# Altium PCB PCB_Kasli.PCBDOC (part 2 of 16)
Units mm, origin at the board's own origin, x right, y up, seen from the top; angles counter-clockwise.
Board outline 200.3 x 100 mm, 6 copper layers (TopLayer, MidLayer1, MidLayer2, SignalLayer1, Internal Plane 1, BottomLayer), stack 1.528 mm thick; 775 components, 636 nets, 3136 pads, 1724 vias.
Unrouted connection lines stored in the file: 7.
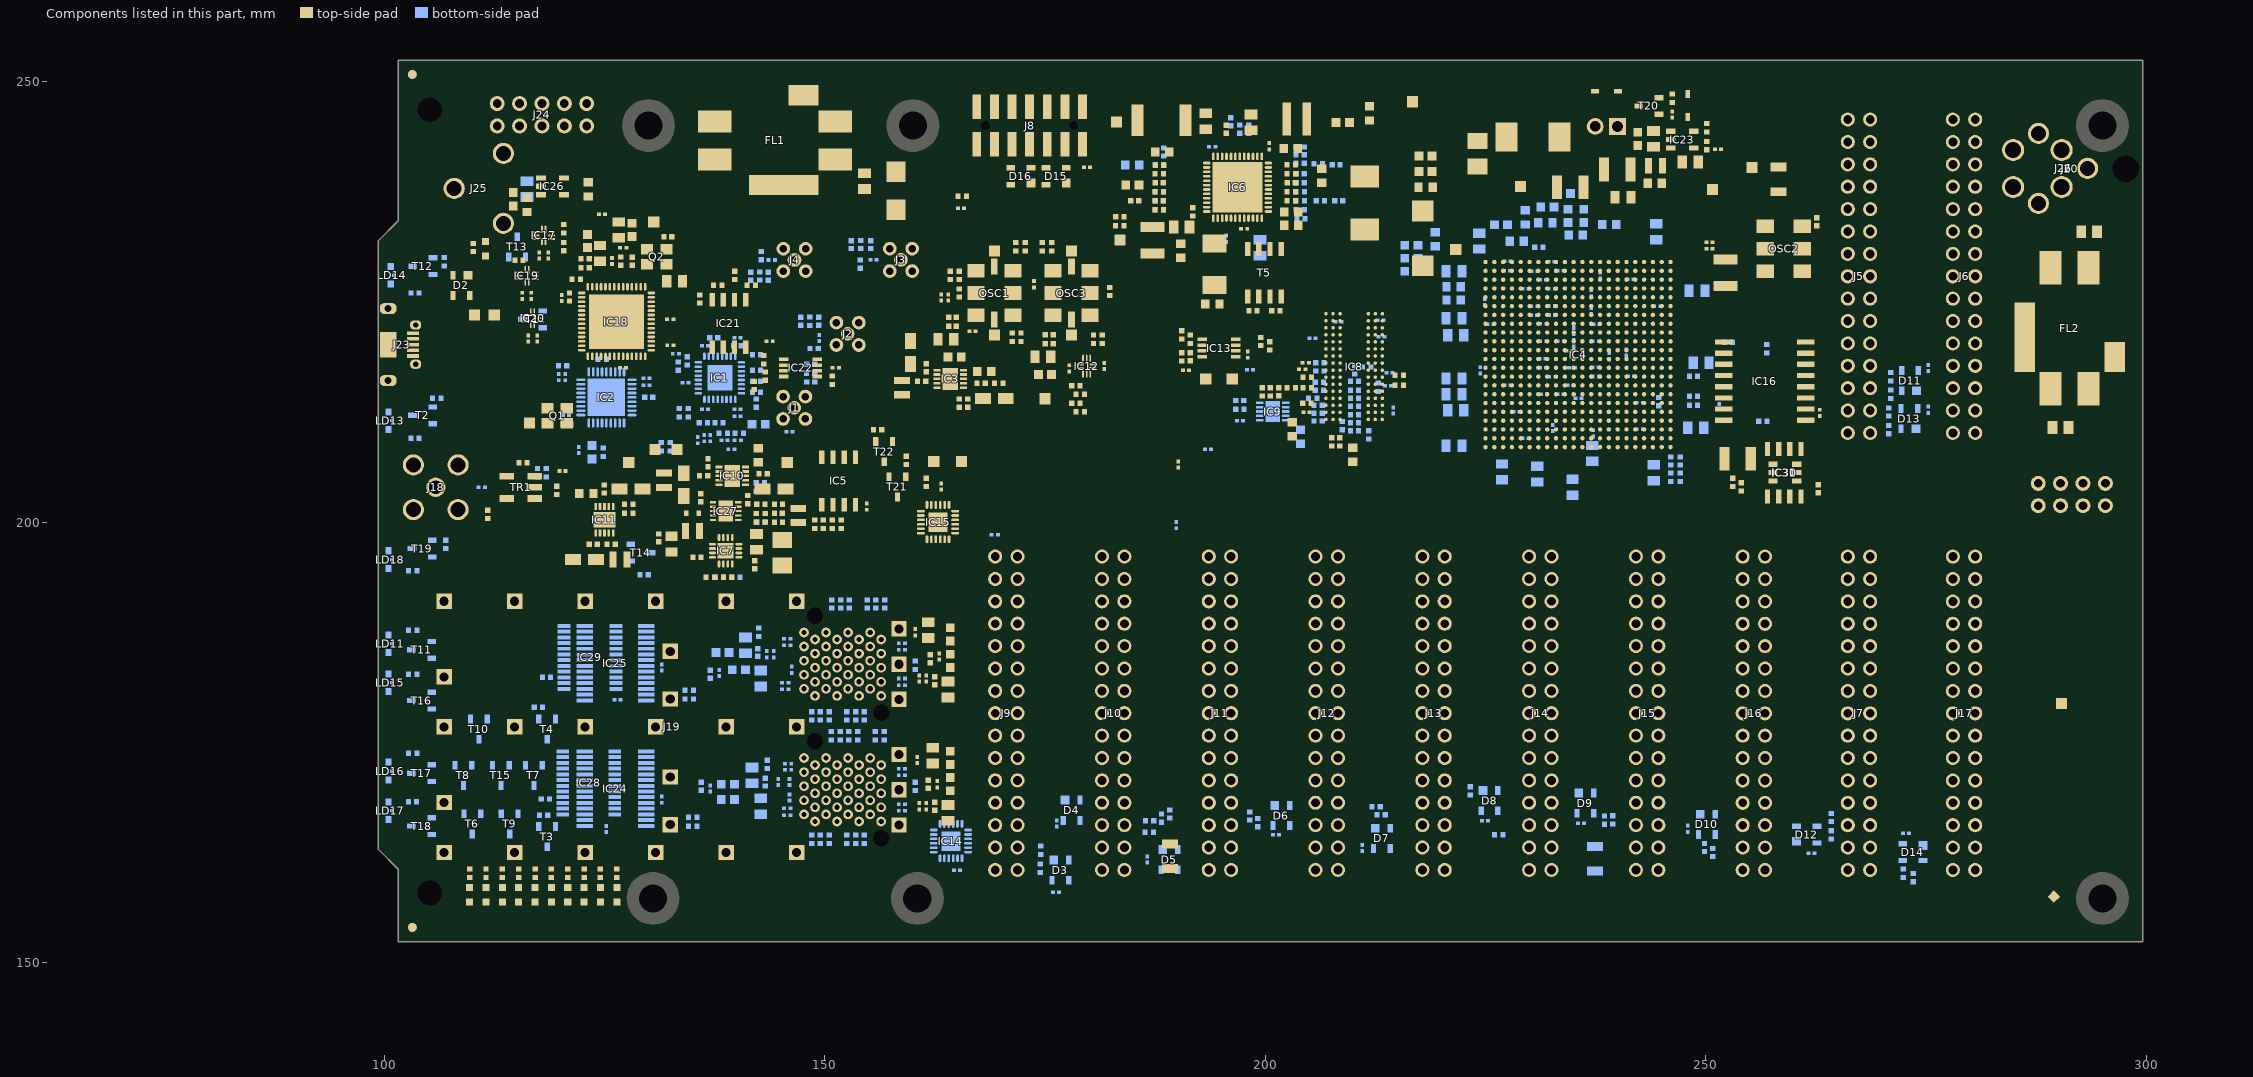
[diagram p6: the components of this part, seen from the top]

## Components (designator, comment, footprint, x,y, rotation, side; value= is the part's Value field where it differs from the comment) (continued)
C129 "22uF" CAPC1709X100N 218.186,237.996 r0 top
C130 "10uF" CAPC2012X95N 190.5,233.5 r0 top
C131 "10uF" CAPC2012X95N 199.39,231.14 r90 bottom
C132 "10uF" CAPC2012X95N 198.374,245.364 r270 top
C133 "10uF" CAPC2012X95N 193.25,245.5 r270 top
C134 "100nF" CAPC0603X33N 197.6,233.3 r180 top
C135 "22uF" CAPC1709X100N 202.9,242.4 r0 top
C136 "22uF" CAPC1709X100N 211.836,246.38 r270 top
C137 "10uF" CAPC2012X95N 248.235,240.875 r180 top
C138 "1nF" CAPC1005X55N 208.338,236.474 r180 bottom
C139 "68pF" CAPC1005X55N 202.946,238.506 r0 top
C140 "100nF" CAPC0603X33N 195.58,232.156 r90 bottom
C141 "22uF" CAPC1709X100N 219.294,232.1 r270 bottom
C142 "1nF" CAPC1005X55N 208.026,240.538 r180 bottom
C143 "100nF" CAPC0603X33N 200.45,242.65 r270 top
C144 "10nF" CAPC1005X55N 155.2,231.5 r270 bottom
C145 "22uF" CAPC1709X100N 190.4,230.8 r270 top
C146 "22uF" CAPC1709X100N 194,224.75 r0 top
C147 "47uF" CAPC3225X270N 187.2,232 r270 top
C148 "22uF" CAPC1709X100N 228.55,231.875 r0 bottom
C149 "22uF" CAPC1709X100N 239.019,233.775 r180 bottom
C150 "150pF" CAPC1005X55N 187.96,236.474 r180 bottom
C151 "100nF" CAPC0603X33N 193.975,242.625 r180 bottom
C152 "1.2nF" CAPC1608X87N 184.912,240.538 r0 bottom
C153 "22uF" CAPC1709X100N 188.3,242 r180 top
C154 "1uF" CAPC1005X55N 195.58,244.602 r270 top
C155 "68pF" CAPC1005X55N 187.96,238.506 r180 top
C156 "1uF" CAPC1005X55N 203.962,239.522 r180 bottom
C157 "1uF" CAPC1005X55N 203.962,238.506 r180 bottom
C158 "1uF" CAPC1005X55N 196.1,245.45 r270 bottom
C159 "100nF" CAPC0603X33N 246.2,246.25 r270 top
C160 "100nF" CAPC0603X33N 162.75,170.25 r90 top
C161 "100nF" CAPC0603X33N 262.9,212.4 r90 top
C162 "100nF" CAPC0603X33N 204.594,218.075 r0 top
C163 "100nF" CAPC0603X33N 213.919,215.475 r180 bottom
C164 "100nF" CAPC0603X33N 208.308,222.729 r180 bottom
C165 "100nF" CAPC0603X33N 213.194,221.025 r0 bottom
C166 "100nF" CAPC0603X33N 213.094,222.9 r180 bottom
C167 "100nF" CAPC0603X33N 204.669,212.45 r0 top
C168 "100nF" CAPC0603X33N 204.194,217.325 r0 top
C169 "100nF" CAPC0603X33N 205.369,220.85 r0 bottom
C170 "100nF" CAPC0603X33N 214.094,216.95 r180 bottom
C171 "100nF" CAPC0603X33N 214.519,212.675 r270 bottom
C172 "1uF" CAPC1005X55N 197.094,213.8 r0 bottom
C173 "22uF" CAPC1709X100N 203.994,209.7 r90 bottom
C174 "22uF" CAPC1709X100N 209.919,207.65 r90 top
C175 "10nF" CAPC1005X55N 201.544,214.8 r270 top
C176 "22uF" CAPC1709X100N 203.069,210.55 r90 top
C177 "100nF" CAPC0603X33N 197.119,211.5 r0 bottom
C178 "1uF" CAPC1005X55N 137,182.75 r90 bottom
C179 "10uF" CAPC2012X95N 141,186 r270 bottom
C180 "1uF" CAPC1005X55N 142.4,185.2 r270 bottom
C181 "100nF" CAPC0603X33N 138.013,182.888 r90 bottom
C182 "100nF" CAPC0603X33N 144.2,185 r270 bottom
C183 "100nF" CAPC0603X33N 143.4,185 r270 bottom
C184 "10uF" CAPC2012X95N 142.75,182.25 r90 bottom
C185 "100nF" CAPC0603X33N 146.25,183.25 r90 bottom
C186 "100pF" CAPC1005X55N 191.5,218.75 r90 top
C187 "100nF" CAPC0603X33N 133.1,219.1 r0 bottom
C188 "100nF" CAPC0603X33N 163.25,225.5 r270 top
C189 "100nF" CAPC0603X33N 164,225.5 r270 top
C190 "1uF" CAPC1005X55N 137.4,220.9 r0 bottom
C191 "100nF" CAPC0603X33N 140.1,220.9 r180 bottom
C192 "100nF" CAPC0603X33N 191,217.25 r180 top
C193 "100nF" CAPC0603X33N 198,219 r90 top
C194 "10nF" CAPC1005X55N 141.606,227.909 r90 bottom
C195 "10nF" CAPC1005X55N 143.606,227.909 r90 bottom
C196 "100nF" CAPC0603X33N 165,160.5 r180 bottom
C197 "100nF" CAPC0603X33N 163.25,204.025 r270 top
C198 "100nF" CAPC0603X33N 154.75,201.75 r90 top
C199 "100nF" CAPC0603X33N 169.3,198.55 r180 bottom
C200 "100nF" CAPC0603X33N 198.25,217.3 r180 bottom
C201 "100nF" CAPC0603X33N 193.5,208.25 r180 bottom
C202 "10uF" CAPC1608X87N 116.2,236 r90 top
C203 "100nF" CAPC0603X33N 131.5,168.5 r90 bottom
C204 "100nF" CAPC0603X33N 124.714,234.95 r180 top
C205 "22uF" CAPC1709X100N 123.175,237.75 r270 top
C206 "4.7uF" CAPC2012X135N 132.969,227.33 r180 top
C207 "22pF" CAPC1005X55N 132.207,232.41 r180 top
C208 "22pF" CAPC1005X55N 128.143,229.616 r270 top
C209 "4.7uF" CAPC2012X135N 126.619,233.172 r270 top
C210 "100nF" CAPC0603X33N 127.127,231.14 r0 top
C211 "4.7uF" CAPC2012X135N 124.5,230.5 r270 top
C212 "100nF" CAPC0603X33N 125.857,229.616 r270 top
C213 "100nF" CAPC0603X33N 118.618,230.251 r90 top
C214 "100nF" CAPC0603X33N 117.348,220.853 r90 top
C215 "100nF" CAPC0603X33N 116.713,225.679 r90 top
C216 "100nF" CAPC0603X33N 115.697,225.679 r90 top
C217 "100nF" CAPC0603X33N 117.602,230.251 r90 top
C218 "100nF" CAPC0603X33N 116.332,220.853 r90 top
C219 "100nF" CAPC0603X33N 143.75,220.5 r180 top
C220 "100nF" CAPC0603X33N 151.25,217.5 r180 top
C221 "100nF" CAPC0603X33N 127.1,217.5 r180 top
C222 "100nF" CAPC0603X33N 132.461,223.012 r180 top
C223 "100nF" CAPC0603X33N 120.142,225.425 r270 top
C224 "100nF" CAPC0603X33N 132.475,220.075 r180 top
C225 "22uF" CAPMP3216X180N 134,204.25 r270 top
C226 "1nF" CAPC1005X55N 164.5,223.25 r0 top
C227 "100nF" CAPC0603X33N 131.5,183.5 r270 bottom
C228 "100nF" CAPC0603X33N 111.075,203.948 r0 bottom
C229 "100nF" CAPC0603X33N 251.519,213.75 r90 bottom
C230 "2.2nF" CAPC1005X55N 185.166,236.474 r0 top
C231 "10uF" CAPC2012X95N 244.047,243.488 r270 top
C232 "100nF" CAPC0603X33N 251.369,242.3 r180 top
C233 "22uF" CAPC1709X100N 244.2,238.45 r180 top
C234 "100nF" CAPC0603X33N 136.4,220 r0 bottom
C235 "47uF" CAPC3225X270N 239.944,240 r0 top
C236 "100nF" CAPC0603X33N 250.409,231.022 r180 top
C237 "100nF" CAPC0603X33N 250.409,231.784 r180 top
C238 "10nF" CAPC1005X55N 262.6,234.1 r270 top
C239 "100nF" CAPC0603X33N 136.4,212.8 r0 bottom
C240 "22uF" CAPC1709X100N 221.369,225.2 r0 bottom
C241 "100nF" CAPC0603X33N 140.1,212.8 r180 bottom
C242 "470nF" CAPC0603X33N 140.1,212 r180 bottom
C243 "22pF" CAPC1005X55N 140.1,220 r180 bottom
C244 "1uF" CAPC1005X55N 161.75,170.25 r90 top
C245 "1nF" CAPC1005X55N 142.05,195.15 r90 top
C246 "100nF" CAPC0603X33N 145.75,186 r180 bottom
C247 "100nF" CAPC0603X33N 145.75,186.75 r180 bottom
C248 "100nF" CAPC0603X33N 145.525,181.775 r180 bottom
C249 "100nF" CAPC0603X33N 145.525,181.025 r180 bottom
C250 "100nF" CAPC0603X33N 158.75,182.25 r0 bottom
C251 "100nF" CAPC0603X33N 158.75,181.5 r0 bottom
C252 "100nF" CAPC0603X33N 158.75,185.5 r0 bottom
C253 "100nF" CAPC0603X33N 158.75,186.25 r0 bottom
C254 "100nF" CAPC0603X33N 145.851,171.901 r180 bottom
C255 "100nF" CAPC0603X33N 145.851,172.601 r180 bottom
C256 "100nF" CAPC0603X33N 145.75,167.5 r180 bottom
C257 "100nF" CAPC0603X33N 145.75,166.75 r180 bottom
C258 "100nF" CAPC0603X33N 163,184.75 r90 top
C259 "1uF" CAPC1005X55N 162,184.5 r90 top
C260 "10uF" CAPC2012X95N 164,181 r90 top
C261 "1uF" CAPC1005X55N 162.5,182 r90 top
C262 "100nF" CAPC0603X33N 160.75,182.25 r90 top
C263 "100nF" CAPC0603X33N 161.5,182.25 r90 top
C264 "10uF" CAPC2012X95N 161.75,187.75 r270 top
C265 "100nF" CAPC0603X33N 160.25,187.5 r270 top
C266 "100nF" CAPC0603X33N 137,169.75 r270 bottom
C267 "1uF" CAPC1005X55N 136,170 r270 bottom
C268 "10uF" CAPC2012X95N 141.75,171.25 r270 bottom
C269 "1uF" CAPC1005X55N 143.25,170.5 r270 bottom
C270 "100nF" CAPC0603X33N 144.75,170.5 r270 bottom
C271 "100nF" CAPC0603X33N 146,170.5 r270 bottom
C272 "10uF" CAPC2012X95N 142.75,167.75 r90 bottom
C273 "100nF" CAPC0603X33N 146,168.75 r90 bottom
C274 "10uF" CAPC2012X95N 164,167 r90 top
C275 "1uF" CAPC1005X55N 162.5,167.75 r90 top
C276 "100nF" CAPC0603X33N 161.5,167.75 r90 top
C277 "100nF" CAPC0603X33N 160.75,167.75 r90 top
C278 "4.7uF" CAPC1005X55N 136.75,206.75 r270 top
C279 "22uF" CAPC1709X100N 142.45,207.575 r270 top
C280 "10uF" CAPC2012X95N 162.25,173.5 r270 top
C281 "100nF" CAPC0603X33N 160.5,173 r270 top
C282 "100nF" CAPC0603X33N 158.75,168 r0 bottom
C283 "100nF" CAPC0603X33N 158.75,167.25 r0 bottom
C284 "100nF" CAPC0603X33N 158.75,171.25 r0 bottom
C285 "100nF" CAPC0603X33N 158.75,172 r0 bottom
C286 "22uF" CAPMP3216X180N 144.25,203.75 r0 top
C287 "1nF" CAPC1005X55N 164.5,222.25 r0 top
C288 "4.7uF" CAPC2012X135N 163.75,220.75 r0 top
C289 "4.7uF" CAPC2012X135N 174.75,218.75 r0 top
C290 "1nF" CAPC1005X55N 175.5,220.25 r0 top
C291 "1nF" CAPC1005X55N 175.5,221.25 r0 top
C292 "100nF" CAPC0603X33N 190.1,206.55 r90 top
C293 "100nF" CAPC0603X33N 189.875,199.65 r90 bottom
C294 "100nF" CAPC0603X33N 173.75,227 r270 top
C295 "100nF" CAPC0603X33N 166.775,221.65 r180 top
C296 "100nF" CAPC0603X33N 120.25,205.8 r0 top
C297 "100nF" CAPC0603X33N 135.575,209.3 r270 bottom
C298 "100nF" CAPC0603X33N 139.4,208.25 r180 bottom
C299 "33uF" CAPMP3528X210N 224.1,241.8 r270 top
C300 "33uF" CAPMP3528X210N 145.175,196.525 r270 top
C301 "10uF" CAPC2012X95N 116.2,237.8 r90 bottom
C302 "10uF" CAPC2012X95N 293.5,232.952 r180 top
C303 "470nF" CAPC1005X55N 135.95,202.75 r270 top
C304 "680pF" CAPC1005X55N 144.75,201 r180 top
C305 "100nF" CAPC0603X33N 126.475,179.85 r0 bottom
C306 "100nF" CAPC0603X33N 125.225,165.175 r90 bottom
C307 "100nF" CAPC1005X55N 262.75,203.8 r270 top
D1 "SMBJ12A" DIOM5336X265N 158.1,237.6 r270 top
D2 "PRTR5V0U2X" SOT190P230X110-4N 108.772,226.873 r270 top
D3 "PRTR5V0U2X" SOT190P230X110-4N 176.75,160.5 r270 bottom
D4 "PRTR5V0U2X" SOT190P230X110-4N 178.019,167.3 r270 bottom
D5 "PRTR5V0U2X" SOT190P230X110-4N 189.119,161.7 r270 bottom
D6 "PRTR5V0U2X" SOT190P230X110-4N 201.819,166.7 r270 bottom
D7 "PRTR5V0U2X" SOT190P230X110-4N 213.219,164.1 r270 bottom
D8 "PRTR5V0U2X" SOT190P230X110-4N 225.444,168.4 r270 bottom
D9 "PRTR5V0U2X" SOT190P230X110-4N 236.319,168.1 r270 bottom
D10 "PRTR5V0U2X" SOT190P230X110-4N 250.119,165.7 r270 bottom
D11 "PRTR5V0U2X" SOT190P230X110-4N 273.169,216.05 r90 bottom
D12 "PRTR5V0U2X" SOT190P230X110-4N 261.45,164.531 r0 bottom
D13 "PRTR5V0U2X" SOT190P230X110-4N 273.087,211.751 r90 bottom
D14 "PRTR5V0U2X" SOT190P230X110-4N 273.494,162.55 r180 bottom
D15 "PRTR5V0U2X" SOT190P230X110-4N 176.25,239.25 r180 top
D16 "PRTR5V0U2X" SOT190P230X110-4N 172.25,239.25 r180 top
D17 "BAT165" SOD2512X110N 247.95,247.275 r270 top
D18 "BAT165" SOD2512X110N 238.725,248.9 r0 top
D19 "PMEG2010AEB,115" SOD523 135,201 r180 top
F1 "125mA-30V" FUSR_LITTELFUSE_1206L012 189.169,162.075 r270 top
F2 "125mA-30V" FUSR_LITTELFUSE_1206L012 237.417,161.798 r270 bottom
F3 "125mA-30V" FUSR_LITTELFUSE_1206L012 258.245,238.896 r90 top
FL1 "10A/50VDC" FIL_MURATA_BNX02 144.364,243.355 r0 top
FL2 "10A/50VDC" FIL_MURATA_BNX02 291.3,222 r270 top
FTG1 "Use only in PCB" FIDUCIAL_TOP_C100-200 103.2,250.8 r90 top
FTG2 "Use only in PCB" FIDUCIAL_TOP_S100-200 289.5,157.5 r90 bottom
FTG3 "Use only in PCB" FIDUCIAL_TOP_C100-200 103.2,154 r90 top
FTG4 "Use only in PCB" FIDUCIAL_TOP_C100-200 103.2,250.8 r90 bottom
FTG5 "Use only in PCB" FIDUCIAL_TOP_C100-200 103.2,154 r90 bottom
FTG6 "Use only in PCB" FIDUCIAL_TOP_S100-200 289.5,157.5 r90 top
HS1 "RADIAN_FI23" RADIAN_FI23 234.991,219.515 r90 top
IC1 "ADCLK948BCPZ" QFN50P500X500X80-33N-S285 138.1,216.378 r0 bottom locked
IC2 "Si5324C-C-GM" QFN50P600X600X90-37N-S425 125.222,214.149 r90 bottom locked
IC3 "LT3045EDD#PBF" SON50P300X300X80-11N-R175X248 164.25,216.25 r0 top
IC4 "XC7A100T-3FGG484E" BGA484C100P22X22_2300X2300X260 235.491,219.015 r0 top locked
IC5 "24AA025E48-I/SN" SOIC127P600X175-8N 151.575,204.675 r270 top
IC6 "ADP5052ACPZ" QFN50P700X700X80-49N-S570 196.85,237.998 r270 top locked
IC7 "TLV62150RGTT" QFN50P300X300X100-17N-S180 138.75,196.75 r0 top
IC8 "MT41K256M16TW-107:P" BGA96C80P9X16_800X1400X120 210.086,217.649 r0 top locked
IC9 "TPS51200DRCT" "TEXAS_DRC (S-PVSON-N10)" 200.844,212.55 r180 bottom
IC10 "LT3045EDD#PBF" SON50P300X300X80-11N-R175X248 139.5,205.25 r0 top
IC11 "LT3045EDD#PBF" SON50P300X300X80-11N-R175X248 125,200.25 r90 top
IC12 "SN74AVC2T245RSWR" QFN40P140X180X55-10N 179.725,217.7 r180 top
IC13 "PCA9306DCTR" SOP65P400X130-8N 194.75,219.75 r180 top
IC14 "TCA9548ARGER" QFN50P400X400X100-25N-S220 164.325,163.8 r0 bottom
IC15 "TCA9548ARGER" QFN50P400X400X100-25N-S220 162.856,200.001 r0 top
IC16 "S25FL128SAGMFIR01" SOIC127P1030X265-16N 256.7,216 r180 top
IC17 "SN74AVC2T245RSWR" QFN40P140X180X55-10N 118.11,232.537 r270 top
IC18 "FT4232H-56Q" QFN50P800X800X100-57N-S620 126.365,222.758 r270 top locked
IC19 "SN74AVC2T245RSWR" QFN40P140X180X55-10N 116.205,227.965 r270 top
IC20 "SN74AVC2T245RSWR" QFN40P140X180X55-10N 116.84,223.139 r270 top
IC21 "M93C46-WMN6TP" SOIC127P600X175-8N 139.123,222.553 r270 top
IC22 "PCA9306DCTR" SOP65P400X130-8N 147.25,217.5 r180 top
IC23 "TLV62565DBVT" SOT95P280X145-5N 247.317,243.418 r0 top
IC24 "MCP23017-E/SS" SOP65P780X200-28N 126.25,169.75 r180 bottom locked
IC25 "MCP23017-E/SS" SOP65P780X200-28N 126.25,184 r180 bottom locked
IC26 "MIC5219-3.3YM5" SOT95P280X145-5N 119.1,238.1 r0 top
IC27 "LT1938EDD#PBF" LT-DD-10_V 138.75,201.25 r0 top
IC28 "PCA9539APW" SOP65P640X110-24N 123.225,170.4 r0 bottom
IC29 "PCA9539APW" SOP65P640X110-24N 123.35,184.65 r0 bottom
IC30 "24AA025E48T-I/OT" SOT95P280X145-6N 258.975,205.625 r0 top
IC31 "24AA025E48-I/SN" SOIC127P600X175-8N 258.9,205.6 r270 top
J1 "MMCX-J-P-H-ST-TH1" SAMTEC_MMCX-J-P-H-ST-TH1 146.541,212.979 r90 top
J2 "MMCX-J-P-H-ST-TH1" SAMTEC_MMCX-J-P-H-ST-TH1 152.596,221.371 r0 top
J3 "MMCX-J-P-H-ST-TH1" SAMTEC_MMCX-J-P-H-ST-TH1 158.652,229.763 r0 top
J4 "MMCX-J-P-H-ST-TH1" SAMTEC_MMCX-J-P-H-ST-TH1 146.569,229.754 r270 top
J5 "" 3M_N2530-6002RB 267.375,227.9 r270 top locked
J6 "" 3M_N2530-6002RB 279.3,227.9 r270 top locked
J7 "" 3M_N2530-6002RB 267.375,178.3 r270 top locked
J8 "Milli-Grid™" MOLEX_87832-1420 173.25,245 r180 top
J9 "" 3M_N2530-6002RB 170.615,178.308 r270 top locked
J10 "" 3M_N2530-6002RB 182.735,178.308 r270 top locked
J11 "" 3M_N2530-6002RB 194.854,178.308 r270 top locked
J12 "" 3M_N2530-6002RB 206.974,178.308 r270 top locked
J13 "" 3M_N2530-6002RB 219.093,178.308 r270 top locked
J14 "" 3M_N2530-6002RB 231.212,178.308 r270 top locked
J15 "" 3M_N2530-6002RB 243.332,178.308 r270 top locked
J16 "" 3M_N2530-6002RB 255.45,178.3 r270 top locked
J17 "" 3M_N2530-6002RB 279.3,178.3 r270 top
J18 "SMA" AMPHENOL_132203 105.85,203.95 r180 top locked
J19 "SFP" AMPHENOL_UE78B212700321 152.65,176.755 r0 top locked
J20 "Mini-Fit Jr.™" MOLEX_39-30-0040 287.625,240.125 r270 top
J21 "KK®" MOLEX_22-27-2021 238.7,244.9 r180 top
J23 "Micro-USB AB 2.0" HIROSE_ZX62RD-AB-5P8 103.25,220.15 r270 top locked
J24 "Header 10" SAMTEC_TSW-105-07-L-D-LL 117.907,246.228 r180 top
J25 "Jack" SWITCHCRAFT_712RA 107.95,237.875 r270 top
J26 "Jack" SWITCHCRAFT_712RA 293.325,240.15 r90 top
L1 "2.2uH" IND_WURTH_WE-PMCI_0806LR 135,199 r180 top
L2 "120R@100MHz" INDC1608X65N 123.571,207.926 r270 bottom
L3 "2.2uH" IND_WURTH_WE-PMCI_0806LR 158.75,215.25 r90 top
L4 "120R@100MHz" INDC1608X65N 234.344,234.75 r270 bottom
L5 "120R@100MHz" INDC1608X65N 236.144,234.75 r270 bottom
L6 "4.7uH" IND_COOPER_DR74 211.3,236.2 r90 top
L7 "120R@100MHz" INDC1608X65N 218.186,241.552 r0 top
L8 "6.8uH" IND_COILCRAFT_XAL4030 203.581,245.745 r0 top
L9 "120R@100MHz" INDC1608X65N 208.788,245.364 r0 top
L10 "2.2uH" IND_WURTH_WE-PMCI_0806LR 244.275,240.44 r180 top
L11 "120R@100MHz" INDC1608X65N 216.569,229.95 r0 bottom
L12 "120R@100MHz" INDC1608X65N 216.569,231.425 r0 bottom
L13 "120R@100MHz" INDC1608X65N 235.369,237.3 r0 bottom
L14 "3.3uH" INDM5552X200N 194.25,229.25 r270 top
L15 "120R@100MHz" INDC1608X65N 226.75,233.75 r0 bottom
L16 "3.3uH" IND_WURTH_WE-PD3_S 188.214,245.618 r180 top
L17 "120R@100MHz" INDC1608X65N 184.912,238.252 r180 top
L18 "120R@100MHz" INDC1608X65N 232,235.75 r0 bottom
L19 "120R@100MHz" INDC1608X65N 164.25,170.25 r270 top
L20 "120R@100MHz" INDC1608X65N 138.4,185.2 r0 bottom
L21 "120R@100MHz" INDC1608X65N 140.25,183.25 r0 bottom
L22 "120R@100MHz" INDC1608X65N 114.651,236.64 r90 top
L23 "2.2uH" IND_WURTH_WE-PMCI_0806LR 126.75,195.75 r180 top
L24 "120R@100MHz" INDC1608X65N 128.143,233.172 r270 top
L25 "120R@100MHz" INDC1608X65N 123.063,231.902 r270 top
L26 "120R@100MHz" INDC1608X65N 242.269,243.488 r270 top
L27 "120R@100MHz" INDC1608X65N 218.186,239.774 r0 top
L28 "120R@100MHz" INDC1608X65N 216.569,228.475 r0 bottom
L29 "120R@100MHz" INDC1608X65N 142.5,211.1 r0 bottom
L30 "120R@100MHz" INDC1608X65N 164.25,184.25 r270 top
L31 "120R@100MHz" INDC1608X65N 164.25,187.25 r90 top
L32 "120R@100MHz" INDC1608X65N 139,170.25 r0 bottom
L33 "120R@100MHz" INDC1608X65N 139,168.5 r0 bottom
L34 "120R@100MHz" INDC1608X65N 164.25,173.25 r90 top
L35 "2.2uH" IND_WURTH_WE-PMCI_0806LR 131.75,204.75 r90 top
L36 "120R@100MHz" INDC1608X65N 164.75,218.75 r180 top
L37 "120R@100MHz" INDC1608X65N 175,216.75 r0 top
L38 "4.7uH" IND_COOPER_DR74 230.4,243.7 r180 top
L39 "2.2uH" IND_WURTH_WE-PMCI_0806LR 147,200.75 r270 top
LD1 "Green" LED_KINGBRIGHT_KPH-1608CGCK 111.5,231 r90 top
LD2 "Green" LED_KINGBRIGHT_KPH-1608CGCK 126.4,157.7 r90 top
LD3 "Green" LED_KINGBRIGHT_KPH-1608CGCK 124.544,157.7 r90 top
LD4 "Green" LED_KINGBRIGHT_KPH-1608CGCK 109.7,157.7 r90 top
LD5 "Green" LED_KINGBRIGHT_KPH-1608CGCK 118.978,157.7 r90 top
LD6 "Green" LED_KINGBRIGHT_KPH-1608CGCK 111.556,157.7 r90 top
LD7 "Green" LED_KINGBRIGHT_KPH-1608CGCK 115.267,157.7 r90 top
LD8 "Green" LED_KINGBRIGHT_KPH-1608CGCK 113.411,157.7 r90 top
LD9 "Green" LED_KINGBRIGHT_KPH-1608CGCK 122.689,157.7 r90 top
LD10 "Green" LED_KINGBRIGHT_KPH-1608CGCK 120.833,157.7 r90 top
LD11 "Green" LED_AVAGO_HSME-C120 100.5,186.2 r270 bottom
LD12 "Green" LED_KINGBRIGHT_KPH-1608CGCK 117.122,157.7 r90 top
LD13 "Green" LED_AVAGO_HSME-C120 100.5,211.5 r270 bottom
LD14 "Red" LED_AVAGO_HSMC-C120 100.75,228 r270 bottom
LD15 "Green" LED_AVAGO_HSME-C120 100.5,181.75 r270 bottom
LD16 "Green" LED_AVAGO_HSME-C120 100.5,171.75 r270 bottom
LD17 "Green" LED_AVAGO_HSME-C120 100.5,167.25 r270 bottom
LD18 "Green" LED_AVAGO_HSME-C120 100.5,195.75 r270 bottom
OSC1 "0.2-250MHz" OSC_SILICON-LAB_SI549-A 169.25,226 r180 top
OSC2 "125MHz" OSC_SILICON-LAB_SI510-6N 258.843,231.022 r0 top
OSC3 "0.2-250MHz" OSC_SILICON-LAB_SI549-A 178,226 r180 top
Plate1 "Cover SFP" AMPHENOL_U77A11108000P 70.5,200 r0 top
Plate2 "Cover SFP" AMPHENOL_U77A11108000P 69.75,150.5 r0 top
Plate3 "Cover SFP" AMPHENOL_U77A11108000P 70.25,183.5 r0 top
Plate4 "Cover SFP" AMPHENOL_U77A11108000P 70,166.75 r0 top
Q1 "114.285MHZ" XTAL_CONNOR_CS 119.634,212.09 r270 top
Q2 "12MHZ" XTAL_TXC_7M 130.937,230.124 r270 top value=12MHz
R1 "10k" RESC1005X40N 247.095,205.081 r90 bottom
R2 "10k" RESC1005X40N 246.028,205.081 r90 bottom
R3 "100" RESC1005X40N 120.25,217.725 r180 bottom
R4 "200" RESC1005X40N 136.225,211.25 r180 bottom
R5 "430k" RESC1005X40N 137,193.75 r180 top
R6 "200" RESC1005X40N 138,211.25 r0 bottom
R7 "200" RESC1005X40N 138.475,210.1 r180 bottom
R8 "200" RESC1005X40N 140.3,210.1 r0 bottom
R9 "68" RESC1005X40N 244.65,213.675 r270 bottom
R10 "24k" RESC1005X40N 167.75,215.75 r180 top
R11 "240" RESC1005X40N 103.5,209.5 r0 bottom
R12 "5k6" RESC1005X40N 187.96,236.474 r0 top
R13 "0" RESC1005X40N 119.6,203.6 r90 top
R14 "24k" RESC1005X40N 250.117,242.726 r270 top
R15 "1k" RESC1005X40N 110.094,231.166 r270 top
R16 "200" RESC1005X40N 142.25,213.5 r270 bottom
R17 "4k7" RESC1005X40N 124.75,218.475 r180 bottom
R18 "200" RESC1005X40N 148.8,219.7 r180 bottom
R19 "2k2" RESC1005X40N 105.975,214.075 r180 bottom
R20 "240" RESC1005X40N 103.5,226 r0 bottom
R21 "200" RESC1005X40N 154.025,229.275 r270 bottom
R22 "200" RESC1005X40N 124.841,207.926 r90 bottom
R23 "2k2" RESC1005X40N 106.8,229.55 r90 bottom
R24 "200" RESC1005X40N 142.781,230.244 r90 bottom
R25 "33k" RESC1005X40N 125,203.75 r270 top
R26 "82k" RESC1005X40N 139,193.75 r180 top
R27 "0" RESC1005X40N 134.4,218.3 r90 bottom
R28 "1k" RESC1005X40N 169.75,215.75 r180 top
R29 "0" RESC1005X40N 148.4,216.9 r180 bottom
R30 "0" RESC1005X40N 148.3,222.8 r270 bottom
R31 "0" RESC1005X40N 154.099,231.5 r270 bottom
R32 "0" RESC1005X40N 142.606,227.924 r90 bottom
R33 "10k" RESC1005X40N 159.25,207 r270 top
R34 "2k2" RESC1005X40N 172.75,231.25 r90 top
R35 "2k2" RESC1005X40N 171.7,231.25 r90 top
R36 "0" RESC1005X40N 172.275,220.975 r90 top
R37 "30" RESC1005X40N 165.25,228 r270 top
R38 "0" RESC1005X40N 171.275,220.975 r270 top
R39 "200" RESC1005X40N 165.25,226 r90 top
R40 "200" RESC1005X40N 164.25,228 r270 top
R41 "2k2" RESC1005X40N 174.7,231.25 r90 top
R42 "1k" RESC1005X40N 248.593,214.258 r0 bottom
R43 "1k" RESC1005X40N 248.593,213.242 r180 bottom
R44 "1k" RESC1005X40N 126.4,160.147 r90 top
R45 "2k2" RESC1005X40N 118.1,166.75 r180 bottom
R46 "10k" RESC1005X40N 156,210.5 r0 top
R47 "200" RESC1005X40N 142.25,214.75 r0 bottom
R48 "200" RESC1005X40N 142.25,216 r0 bottom
R49 "22k" RESC1005X40N 198.6,224 r180 top
R50 "2k2" RESC1005X40N 175.75,231.25 r90 top
R51 "10k" RESC1005X40N 183.497,234.677 r180 top
R52 "1k" RESC1005X40N 248.593,216.544 r180 bottom
R53 "0" RESC1005X40N 183.483,233.608 r0 top
R54 "0" RESC1005X40N 161,216 r0 top
R55 "1k" RESC1005X40N 124.544,160.147 r90 top
R56 "0" RESC1005X40N 125.75,197.5 r180 top
R57 "300" RESC1005X40N 117.5,179 r180 bottom
R58 "10k" RESC1005X40N 165.6,236.975 r0 top
R59 "7k5" RESC1005X40N 202.946,236.474 r0 top
R60 "2k4" RESC1005X40N 202.946,237.49 r180 top
R61 "240" RESC1005X40N 203.962,235.458 r180 bottom
R62 "51k" RESC1005X40N 202.946,239.522 r0 top
R63 "5k1" RESC1005X40N 206.248,236.474 r180 bottom
R64 "910" RESC1005X40N 203.962,236.474 r180 bottom
R65 "10k" RESC1005X40N 204.05,234.45 r180 bottom
R66 "22k" RESC1005X40N 201.2,224 r180 top
R67 "12k" RESC1005X40N 250.117,244.758 r270 top
R68 "24k" RESC1005X40N 202.946,240.538 r180 top
R69 "1k6" RESC1005X40N 203.95,241.675 r0 bottom
R70 "5k1" RESC1005X40N 206,240.675 r180 bottom